# KiCad board mushi.kicad_pcb
title: mushi; rev: v1.0.0; company: Unknown
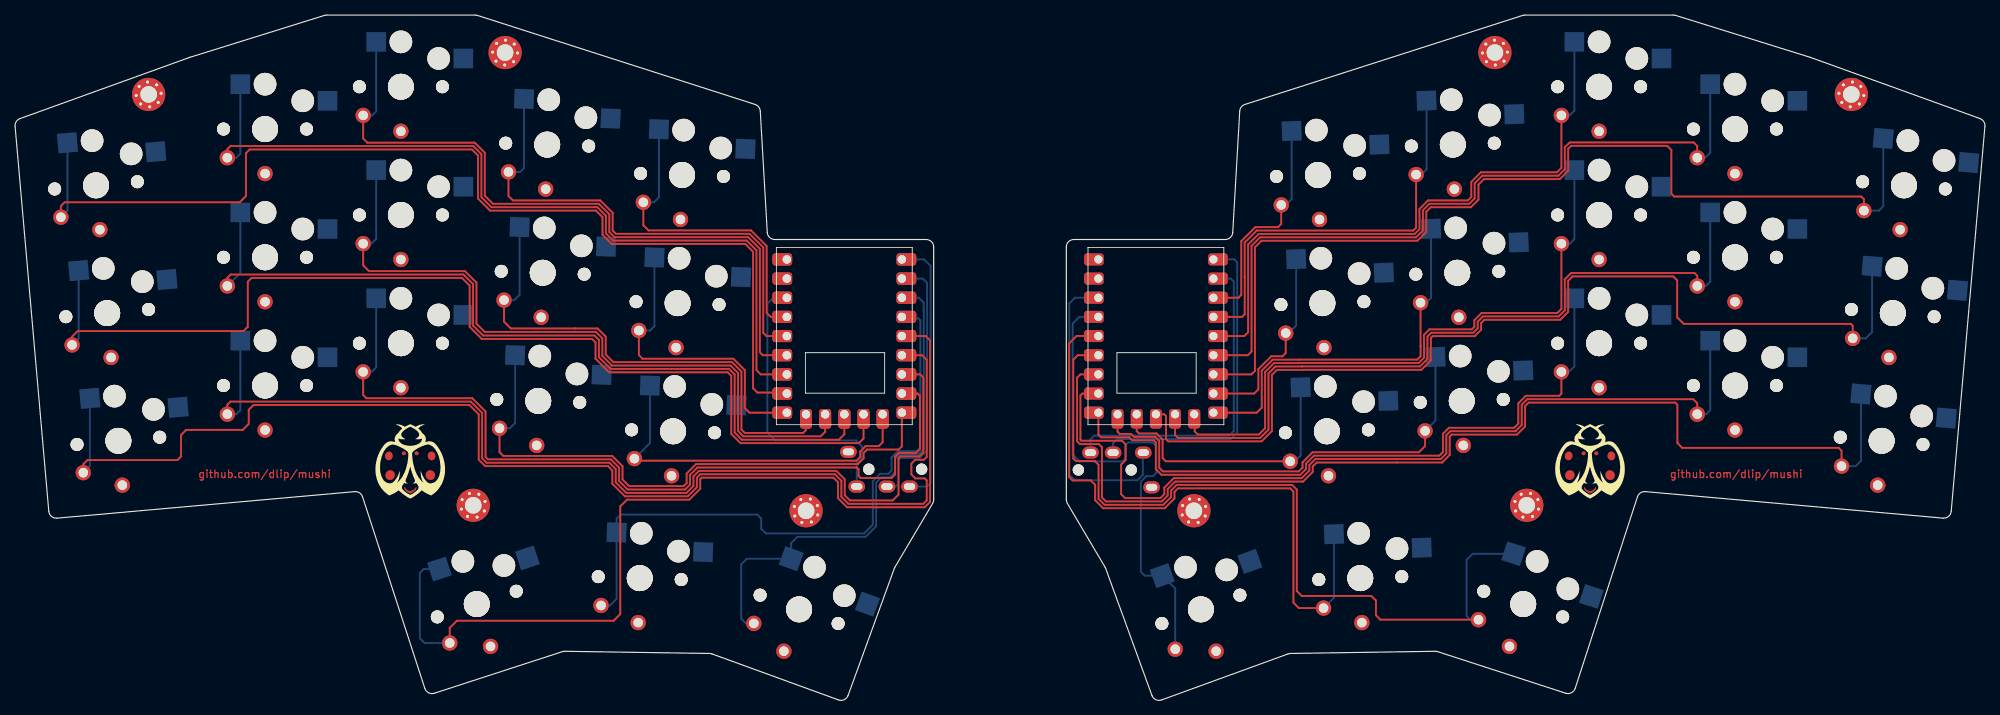
[diagram p0: board, top side]
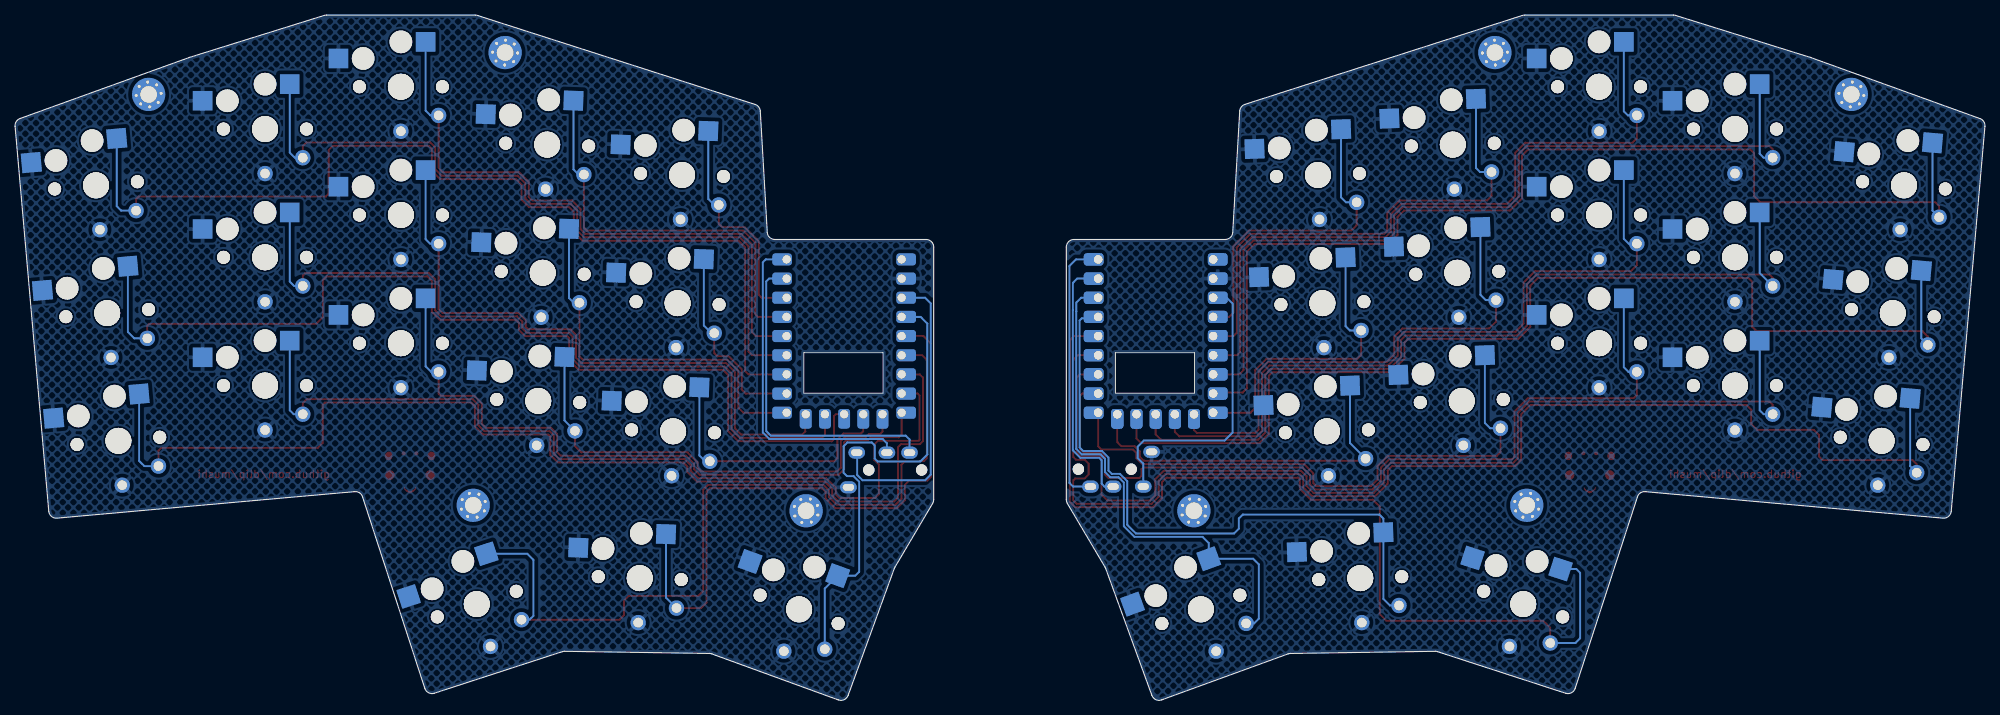
[diagram p1: board, bottom side, seen from below]

Outline 261.02 x 90.79 mm; copper layers: Top, Bottom. Coordinates in mm from the lower left corner of the outline.
Outline path: 0,76.04 arc(0.15,76.67) 0.66,77.07 23.1,85.17 arc(23.12,85.18) 23.14,85.18 40.98,90.74 arc(41.12,90.77) 41.27,90.79 60.96,90.79 arc(61.12,90.77) 61.27,90.74 98.05,78.94 arc(98.54,78.6) 98.74,78.05 99.67,61.98 arc(99.98,61.31) 100.67,61.04 120.72,61.04 arc(121.43,60.74) 121.72,60.04 121.72,26.56 arc(121.69,26.3) 121.58,26.05 116.58,17.59 arc(116.54,17.51) 116.5,17.43 110.38,0.6 arc(109.86,0.03) 109.1,0 92.34,6.1 arc(92.18,6.14) 92.01,6.16 72.84,6.45 arc(72.67,6.44) 72.51,6.4 55.55,0.89 arc(54.79,0.95) 54.29,1.53 46.04,26.93 arc(45.64,27.45) 45,27.61 5.55,24.1 arc(4.82,24.33) 4.46,25.01 0,76.04 ; 139.29,60.04 139.29,26.56 arc(139.33,26.3) 139.43,26.05 144.43,17.59 arc(144.48,17.51) 144.51,17.43 150.64,0.6 arc(151.15,0.03) 151.92,0 168.68,6.1 arc(168.84,6.14) 169,6.16 188.18,6.45 arc(188.34,6.44) 188.5,6.4 205.46,0.89 arc(206.23,0.95) 206.72,1.53 214.97,26.93 arc(215.37,27.45) 216.01,27.61 255.47,24.1 arc(256.2,24.33) 256.55,25.01 261.02,76.04 arc(260.86,76.67) 260.36,77.07 237.92,85.17 arc(237.89,85.18) 237.87,85.18 220.04,90.74 arc(219.89,90.77) 219.74,90.79 200.05,90.79 arc(199.9,90.77) 199.75,90.74 162.97,78.94 arc(162.48,78.6) 162.27,78.05 161.35,61.98 arc(161.04,61.31) 160.35,61.04 140.29,61.04 arc(139.59,60.74) 139.29,60.04

## Placement (name value [footprint] x y rotation side)
_1  -  [MountingHole_2.2mm_M2_Pad_Via]  17.7 80.27 5 top
_2  -  [MountingHole_2.2mm_M2_Pad_Via]  64.93 85.82 358 top
_3  -  [MountingHole_2.2mm_M2_Pad_Via]  60.71 25.8 18 top
_4  -  [MountingHole_2.2mm_M2_Pad_Via]  104.81 25.08 340 top
_5  -  [MountingHole_2.2mm_M2_Pad_Via]  243.32 80.27 355 top
_6  -  [MountingHole_2.2mm_M2_Pad_Via]  196.09 85.82 2 top
_7  -  [MountingHole_2.2mm_M2_Pad_Via]  200.31 25.8 342 top
_8  -  [MountingHole_2.2mm_M2_Pad_Via]  156.2 25.08 20 top
NOREF  LOGO  [mushi_copper2]  52.39 31.34 0 top
NOREF#2  LOGO  [mushi_copper2]  208.71 31.34 0 top
RP2040Zero1  -  [RP2040-Zero#2]  99.72 35.54 0 top
RP2040Zero2  -  [RP2040-Zero]  141 35.54 0 top
S1  -  [PG1350#2]  13.69 34.34 5 top
S2  -  [PG1350#2]  12.2 51.28 5 top
S3  -  [PG1350#2]  10.72 68.21 5 top
S4  -  [PG1350#2]  33.12 41.68 0 top
S5  -  [PG1350#2]  33.12 58.68 0 top
S6  -  [PG1350#2]  33.12 75.68 0 top
S7  -  [PG1350#2]  51.12 47.29 0 top
S8  -  [PG1350#2]  51.12 64.29 0 top
S9  -  [PG1350#2]  51.12 81.29 0 top
S10  -  [PG1350#2]  69.32 39.64 358 top
S11  -  [PG1350#2]  69.91 56.63 358 top
S12  -  [PG1350#2]  70.51 73.62 358 top
S13  -  [PG1350#2]  87.19 35.61 358 top
S14  -  [PG1350#2]  87.78 52.6 358 top
S15  -  [PG1350#2]  88.38 69.59 358 top
S16  -  [PG1350#2]  61.18 12.7 18 top
S17  -  [PG1350#2]  82.77 16.14 358 top
S18  -  [PG1350#2]  103.89 12.01 340 top
S19  -  [PG1350]  13.69 34.34 185 top
S20  -  [PG1350]  12.2 51.28 185 top
S21  -  [PG1350]  10.72 68.21 185 top
S22  -  [PG1350]  33.12 41.68 180 top
S23  -  [PG1350]  33.12 58.68 180 top
S24  -  [PG1350]  33.12 75.68 180 top
S25  -  [PG1350]  51.12 47.29 180 top
S26  -  [PG1350]  51.12 64.29 180 top
S27  -  [PG1350]  51.12 81.29 180 top
S28  -  [PG1350]  69.32 39.64 178 top
S29  -  [PG1350]  69.91 56.63 178 top
S30  -  [PG1350]  70.51 73.62 178 top
S31  -  [PG1350]  87.19 35.61 178 top
S32  -  [PG1350]  87.78 52.6 178 top
S33  -  [PG1350]  88.38 69.59 178 top
S34  -  [PG1350]  61.18 12.7 198 top
S35  -  [PG1350]  82.77 16.14 178 top
S36  -  [PG1350]  103.89 12.01 160 top
S37  -  [PG1350#2]  247.33 34.34 355 top
S38  -  [PG1350#2]  248.81 51.28 355 top
S39  -  [PG1350#2]  250.29 68.21 355 top
S40  -  [PG1350#2]  227.89 41.68 0 top
S41  -  [PG1350#2]  227.89 58.68 0 top
S42  -  [PG1350#2]  227.89 75.68 0 top
S43  -  [PG1350#2]  209.89 47.29 0 top
S44  -  [PG1350#2]  209.89 64.29 0 top
S45  -  [PG1350#2]  209.89 81.29 0 top
S46  -  [PG1350#2]  191.69 39.64 2 top
S47  -  [PG1350#2]  191.1 56.63 2 top
S48  -  [PG1350#2]  190.51 73.62 2 top
S49  -  [PG1350#2]  173.82 35.61 2 top
S50  -  [PG1350#2]  173.23 52.6 2 top
S51  -  [PG1350#2]  172.64 69.59 2 top
S52  -  [PG1350#2]  199.84 12.7 342 top
S53  -  [PG1350#2]  178.25 16.14 2 top
S54  -  [PG1350#2]  157.13 12.01 20 top
S55  -  [PG1350]  247.33 34.34 175 top
S56  -  [PG1350]  248.81 51.28 175 top
S57  -  [PG1350]  250.29 68.21 175 top
S58  -  [PG1350]  227.89 41.68 180 top
S59  -  [PG1350]  227.89 58.68 180 top
S60  -  [PG1350]  227.89 75.68 180 top
S61  -  [PG1350]  209.89 47.29 180 top
S62  -  [PG1350]  209.89 64.29 180 top
S63  -  [PG1350]  209.89 81.29 180 top
S64  -  [PG1350]  191.69 39.64 182 top
S65  -  [PG1350]  191.1 56.63 182 top
S66  -  [PG1350]  190.51 73.62 182 top
S67  -  [PG1350]  173.82 35.61 182 top
S68  -  [PG1350]  173.23 52.6 182 top
S69  -  [PG1350]  172.64 69.59 182 top
S70  -  [PG1350]  199.84 12.7 162 top
S71  -  [PG1350]  178.25 16.14 182 top
S72  -  [PG1350]  157.13 12.01 200 top
TRRS1  -  [TRRS-PJ-320A-dual]  121.72 28.29 270 top
TRRS2  -  [TRRS-PJ-320A-dual]  139.29 32.79 90 top

## Footprints (pads in the part's own frame, mm; a bottom-side part is the same pattern mirrored in y, then rotated)
MountingHole_2.2mm_M2_Pad_Via
  round 0.7 hole 0.4: 1(-1.65,0) 1(-1.167,1.167) 1(-1.167,-1.167) 1(0,1.65) 1(0,-1.65) 1(1.167,1.167) 1(1.167,-1.167) 1(1.65,0)
  round 4.4 hole 2.2: 1(0,0)
PG1350
  round 1.702 hole 1.702 unplated: (-5.5,0) (5.5,0)
  round 3.429 hole 3.429 unplated: (0,0)
  round 2.032 hole 1.27: 1(5,3.8) 2(0,5.9)
PG1350#2
  round 1.702 hole 1.702 unplated: (-5.5,0) (5.5,0)
  round 3 hole 3 unplated: (0,5.95) (5,3.75)
  round 3.429 hole 3.429 unplated: (0,0)
  rect 2.6x2.6 smd far side: 1(-3.275,5.95) 2(8.275,3.75)
RP2040-Zero
  rrect 2.6x1.6 hole 1.092: 1(17.78,22.86) 2(17.78,20.32) 3(17.78,17.78) 4(17.78,15.24) 5(17.78,12.7) 6(17.78,10.16) 7(17.78,7.62) 8(17.78,5.08) 9(17.78,2.54) 15(2.54,2.54) 16(2.54,5.08) 17(2.54,7.62) 18(2.54,10.16) 19(2.54,22.86) 20(2.54,20.32) 21(2.54,17.78) 22(2.54,12.7) 23(2.54,15.24)
  rrect 1.6x2.6 hole 1.092: 10(15.24,2.33)
  rrect 1.575x2.6 hole 1.092: 11(12.7,2.33) 12(10.16,2.33) 13(7.62,2.33) 14(5.08,2.33)
RP2040-Zero#2
  rrect 2.6x1.6 hole 1.092: 1(17.78,22.86) 1(17.78,22.86) 2(17.78,20.32) 2(17.78,20.32) 3(17.78,17.78) 3(17.78,17.78) 4(17.78,15.24) 4(17.78,15.24) 5(17.78,12.7) 5(17.78,12.7) 6(17.78,10.16) 6(17.78,10.16) 7(17.78,7.62) 7(17.78,7.62) 8(17.78,5.08) 8(17.78,5.08) 9(17.78,2.54) 9(17.78,2.54) 15(2.54,2.54) 15(2.54,2.54) 16(2.54,5.08) 16(2.54,5.08) 17(2.54,7.62) 17(2.54,7.62) 18(2.54,10.16) 18(2.54,10.16) 19(2.54,22.86) 19(2.54,22.86) 20(2.54,20.32) 20(2.54,20.32) 21(2.54,17.78) 21(2.54,17.78) 22(2.54,12.7) 22(2.54,12.7) 23(2.54,15.24) 23(2.54,15.24)
  rrect 1.6x2.6 hole 1.092: 10(15.24,2.33) 10(15.24,2.33)
  rrect 1.575x2.6 hole 1.092: 11(12.7,2.33) 11(12.7,2.33) 12(10.16,2.33) 12(10.16,2.33) 13(7.62,2.33) 13(7.62,2.33) 14(5.08,2.33) 14(5.08,2.33)
TRRS-PJ-320A-dual
  round 1.5 hole 1.5 unplated: (-2.3,-1.6) (-2.3,-8.6)
  oval 1.6x2.2 hole 0.9x1.5: 1(-4.6,-11.3) 2(0,-10.2) 3(0,-6.2) 4(0,-3.2)

## Nets
GND: RP2040Zero1.20 S1.2 S2.2 S3.2 S4.2 S5.2 S6.2 S7.2 S8.2 S9.2 S10.2 S11.2 S12.2 S13.2 S14.2 S15.2 S16.2 S17.2 S18.2 S19.2 S20.2 S21.2 S22.2 S23.2 S24.2 S25.2 S26.2 S27.2 S28.2 S29.2 S30.2 S31.2 S32.2 S33.2 S34.2 S35.2 S36.2 TRRS1.1
P3V3: RP2040Zero1.21 TRRS1.2
P5V: RP2040Zero1.19
matrix_index_bottom: RP2040Zero1.9 S10.1 S28.1
matrix_index_middle: RP2040Zero1.14 S11.1 S29.1
matrix_index_top: RP2040Zero1.22 S12.1 S30.1
matrix_middle_bottom: RP2040Zero1.8 S7.1 S25.1
matrix_middle_middle: RP2040Zero1.13 S8.1 S26.1
matrix_middle_top: RP2040Zero1.18 S9.1 S27.1
matrix_outer_bottom: RP2040Zero1.10 S13.1 S31.1
matrix_outer_middle: RP2040Zero1.15 S14.1 S32.1
matrix_outer_top: RP2040Zero1.23 S15.1 S33.1
matrix_pinky_bottom: RP2040Zero1.6 S1.1 S19.1
matrix_pinky_middle: RP2040Zero1.11 S2.1 S20.1
matrix_pinky_top: RP2040Zero1.16 S3.1 S21.1
matrix_ring_bottom: RP2040Zero1.7 S4.1 S22.1
matrix_ring_middle: RP2040Zero1.12 S5.1 S23.1
matrix_ring_top: RP2040Zero1.17 S6.1 S24.1
mirror_matrix_index_bottom: RP2040Zero2.14 S46.1 S64.1
mirror_matrix_index_middle: RP2040Zero2.9 S47.1 S65.1
mirror_matrix_index_top: RP2040Zero2.4 S48.1 S66.1
mirror_matrix_middle_bottom: RP2040Zero2.15 S43.1 S61.1
mirror_matrix_middle_middle: RP2040Zero2.10 S44.1 S62.1
mirror_matrix_middle_top: RP2040Zero2.5 S45.1 S63.1
mirror_matrix_outer_bottom: RP2040Zero2.13 S49.1 S67.1
mirror_matrix_outer_middle: RP2040Zero2.8 S50.1 S68.1
mirror_matrix_outer_top: RP2040Zero2.3 S51.1 S69.1
mirror_matrix_pinky_bottom: RP2040Zero2.17 S37.1 S55.1
mirror_matrix_pinky_middle: RP2040Zero2.12 S38.1 S56.1
mirror_matrix_pinky_top: RP2040Zero2.7 S39.1 S57.1
mirror_matrix_ring_bottom: RP2040Zero2.16 S40.1 S58.1
mirror_matrix_ring_middle: RP2040Zero2.11 S41.1 S59.1
mirror_matrix_ring_top: RP2040Zero2.6 S42.1 S60.1
mirror_thumbs_inner_cluster: RP2040Zero2.18 S52.1 S70.1
mirror_thumbs_middle_cluster: RP2040Zero2.22 S53.1 S71.1
mirror_thumbs_outer_cluster: RP2040Zero2.23 S54.1 S72.1
rGND: RP2040Zero2.20 S37.2 S38.2 S39.2 S40.2 S41.2 S42.2 S43.2 S44.2 S45.2 S46.2 S47.2 S48.2 S49.2 S50.2 S51.2 S52.2 S53.2 S54.2 S55.2 S56.2 S57.2 S58.2 S59.2 S60.2 S61.2 S62.2 S63.2 S64.2 S65.2 S66.2 S67.2 S68.2 S69.2 S70.2 S71.2 S72.2 TRRS2.1
rP3V3: RP2040Zero2.21 TRRS2.2
rP5V: RP2040Zero2.19
rRX: RP2040Zero2.2 TRRS2.4
rTX: RP2040Zero2.1 TRRS2.3
RX: RP2040Zero1.2 TRRS1.3
thumbs_inner_cluster: RP2040Zero1.5 S16.1 S34.1
thumbs_middle_cluster: RP2040Zero1.4 S17.1 S35.1
thumbs_outer_cluster: RP2040Zero1.3 S18.1 S36.1
TX: RP2040Zero1.1 TRRS1.4

Pads without a net: _1 1; _2 1; _3 1; _4 1; _5 1; _6 1; _7 1; _8 1

## Routing (per net, layer and track width the routed paths; a pad name or vN(x,y) marks a point on that pad's centre or on a via; arc(x,y) is an arc through that point)
P3V3: length 38.9
  Bottom w0.25: TRRS1.2 111.52,31.33 112.26,32.07 112.26,33.57 111.44,34.39 100.74,34.39 99.69,35.44 99.69,52.54 100.46,53.32 RP2040Zero1.21
matrix_index_bottom: length 78.5
  Top w0.25: RP2040Zero1.9 117.5,33.61 117.09,33.19 112.89,33.19 112.44,32.74 112.44,32.03 111.66,31.26 90.23,31.26 88.99,30.02 88.99,28.74 88.59,28.34 81.36,28.34 80.49,29.22 80.49,30.98 79.12,32.34 64.69,32.34 64.19,32.84 S28.1
  Bottom w0.25: S10.1 66.26,36.71 65.55,36.01 S28.1
matrix_index_middle: length 68.5
  Top w0.25: RP2040Zero1.14 104.8,35.77 104.43,35.39 96.69,35.39 96.25,35.83 96.25,43.52 94.99,44.78 79.27,44.78 78.26,45.79 78.26,48.17 77.19,49.24 74.19,49.24 74.19,49.24 65.69,49.24 64.78,50.15 S29.1
  Bottom w0.25: S29.1 66.14,53 66.85,53.71 S11.1
matrix_index_top: length 67.2
  Top w0.25: S30.1 65.38,66.8 65.96,66.22 77.53,66.22 79.19,64.56 79.19,62.22 79.61,61.79 97.32,61.79 99.14,59.98 99.14,48.67 99.57,48.24 RP2040Zero1.22
  Bottom w0.25: S12.1 67.44,70.53 66.91,69.99 S30.1
matrix_middle_bottom: length 113.3
  Top w0.25: RP2040Zero1.8 119.59,40.62 119.9,40.31 119.9,33.24 119.4,32.74 117.11,32.74 116.61,32.25 116.61,29.89 116.14,29.42 112.04,29.42 111.76,29.69 111.76,30.59 111.54,30.81 90.42,30.81 89.44,29.83 89.44,28.56 88.77,27.89 81.17,27.89 80.04,29.03 80.04,30.79 78.93,31.89 62.66,31.89 62.34,32.22 62.34,38.23 60.58,39.99 46.56,39.99 46.12,40.43 S25.1
  Bottom w0.25: S7.1 47.85,44.1 47.23,43.49 S25.1
matrix_middle_middle: length 96.2
  Top w0.25: S26.1 46.12,57.61 46.89,56.84 59.6,56.84 61.14,55.31 61.14,49.87 62.22,48.79 76.97,48.79 77.81,47.94 77.81,45.61 79.09,44.33 94.8,44.33 95.8,43.34 95.8,35.65 96.5,34.94 106.75,34.94 107.34,35.54 RP2040Zero1.13
  Bottom w0.25: S8.1 47.85,61.13 47.2,60.49 S26.1
matrix_middle_top: length 95
  Top w0.25: RP2040Zero1.18 99.08,45.7 98.69,46.09 98.69,59.79 97.13,61.34 79.42,61.34 78.74,62.03 78.74,64.38 77.35,65.77 63.31,65.77 62.24,66.84 62.24,72.54 60.91,73.87 46.69,73.87 46.12,74.43 S27.1
  Bottom w0.25: S27.1 47.3,77.49 47.85,78.03 S9.1
matrix_outer_bottom: length 48.3
  Top w0.25: RP2040Zero1.10 114.96,34.17 114.44,33.64 112.7,33.64 111.99,32.93 111.99,32.22 111.48,31.71 82.34,31.71
  Bottom w0.25: S13.1 84.13,34.05 S31.1
matrix_outer_middle: length 40.4
  Top w0.25: S32.1 82.66,45.71 83.14,45.23 95.17,45.23 96.7,43.71 96.7,38.68 97.3,38.08 RP2040Zero1.15
  Bottom w0.25: S14.1 84.72,49.55 84.14,48.98 S32.1
matrix_outer_top: length 43.6
  Top w0.25: S33.1 83.25,62.93 83.94,62.24 97.51,62.24 99.59,60.16 99.59,51.32 100.13,50.78 RP2040Zero1.23
  Bottom w0.25: S15.1 85.31,66.62 84.66,65.97 S33.1
matrix_pinky_bottom: length 169
  Top w0.25: S19.1 9.04,31.24 9.59,31.79 21.51,31.79 21.99,32.27 21.99,35.12 22.66,35.79 30.16,35.79 30.96,36.59 30.96,38.47 31.59,39.09 60.2,39.09 61.44,37.86 61.44,31.84 62.29,30.99 78.56,30.99 79.14,30.42 79.14,28.66 80.8,26.99 89.15,26.99 90.34,28.18 90.34,29.46 90.79,29.91 108.63,29.91 109.49,29.06 109.49,26.93 110.42,25.99 120.35,25.99 120.8,26.44 120.8,29.1 120.54,29.36 119.29,29.36 118.76,29.89 118.76,31.32 119.28,31.83 120.42,31.83 120.8,32.21 120.8,45.08 120.18,45.7 RP2040Zero1.6
  Bottom w0.25: S1.1 9.91,30.99 S19.1
matrix_pinky_middle: length 144.4
  Top w0.25: S20.1 7.55,48.16 8.29,48.89 30.26,48.89 30.84,49.47 30.84,55.44 31.34,55.94 59.21,55.94 60.24,54.92 60.24,49.45 61.83,47.85 76.45,47.85 76.91,47.39 76.91,45.23 78.71,43.43 94.43,43.43 94.9,42.96 94.9,35.27 96.13,34.04 111.81,34.04 112.42,34.65 RP2040Zero1.11
  Bottom w0.25: S20.1 8.42,47.93 S2.1
matrix_pinky_top: length 142.9
  Top w0.25: S21.1 6.07,65.48 6.56,65.97 29.76,65.97 30.59,66.79 30.59,72.47 31.09,72.97 60.54,72.97 61.34,72.17 61.34,66.47 62.94,64.87 76.98,64.87 77.84,64 77.84,61.66 79.05,60.44 96.76,60.44 97.79,59.42 97.79,41.31 98.35,40.74 102.13,40.74
  Bottom w0.25: S21.1 6.94,64.86 S3.1
matrix_ring_bottom: length 137.6
  Top w0.25: S22.1 28.12,39.13 28.54,39.54 60.39,39.54 61.89,38.05 61.89,32.03 62.47,31.44 78.75,31.44 79.59,30.61 79.59,28.84 80.99,27.44 88.96,27.44 89.89,28.37 89.89,29.64 90.6,30.36 108.82,30.36 109.94,29.24 109.94,27.12 110.61,26.44 116.29,26.44 117.06,27.22 117.06,32.06 117.29,32.29 119.82,32.29 120.35,32.82 120.35,42.73 119.92,43.16 RP2040Zero1.7
  Bottom w0.25: S22.1 29.32,37.88 29.85,38.4 S4.1
matrix_ring_middle: length 114.6
  Top w0.25: RP2040Zero1.12 109.88,35.21 109.16,34.49 96.31,34.49 95.35,35.46 95.35,43.15 94.62,43.88 78.9,43.88 77.36,45.42 77.36,47.72 76.78,48.3 62.01,48.3 60.69,49.63 60.69,55.12 59.41,56.39 28.56,56.39 28.12,55.95 S23.1
  Bottom w0.25: S23.1 29.85,56.6 S5.1
matrix_ring_top: length 113.2
  Top w0.25: S24.1 28.12,73 28.54,73.42 60.72,73.42 61.79,72.36 61.79,66.66 63.13,65.32 77.16,65.32 78.29,64.19 78.29,61.84 79.24,60.89 96.95,60.89 98.24,59.61 98.24,43.72 98.8,43.16 RP2040Zero1.17
  Bottom w0.25: S24.1 29.32,71.88 29.85,72.4 S6.1
mirror_matrix_index_bottom: length 61.5
  Top w0.25: S64.1 186.83,33.64 186.02,32.83 171.92,32.83 170.6,31.5 170.6,30.78 170.11,30.3 152.08,30.3 151.61,30.77 151.61,34.33 151.06,34.87 148.28,34.87 147.89,35.26 146.37,35.26 146.08,35.55 RP2040Zero2.14
  Bottom w0.25: S64.1 188.21,37.05 S46.1
mirror_matrix_index_middle: length 50.6
  Top w0.25: S65.1 186.24,46.89 186.25,46.88 186.25,45.56 185.8,45.11 170.16,45.11 170.15,45.1 166.64,45.1 165.19,43.65 165.19,38.74 164.52,38.08 RP2040Zero2.9
  Bottom w0.25: S47.1 187.62,53.28 187,52.65
mirror_matrix_index_top: length 54.5
  Top w0.25: S66.1 185.64,62.6 185.27,62.22 164.53,62.22 162.93,60.62 162.93,56.08 162.94,56.07 162.94,51.13 162.58,50.78 RP2040Zero2.4
  Bottom w0.25: 186.34,69.64 187.03,70.33 S48.1
mirror_matrix_middle_bottom: length 90.4
  Top w0.25: RP2040Zero2.15 143.54,35.15 143.89,34.81 147.63,34.81 148.02,34.42 150.88,34.42 151.16,34.14 151.16,30.59 151.9,29.85 170.3,29.85 171.05,30.6 171.05,31.32 172.11,32.38 188.72,32.38 189.2,32.85 189.2,35.28 189.99,36.07 198.63,36.07 199.19,36.63 199.19,39.32 200.18,40.31 204.62,40.31 204.89,40.59 S61.1
  Bottom w0.25: S43.1 206.62,44.23 205.88,43.49 S61.1
mirror_matrix_middle_middle: length 84.3
  Top w0.25: 156.31,37.8 156.31,35.6 156.73,35.18 164.8,35.18 165.64,36.01 165.64,43.47 166.82,44.65 170.33,44.65 170.34,44.66 185.98,44.66 186.7,45.38 186.7,47.07 186.69,47.08 186.69,48.4 187.41,49.12 193.04,49.12 193.36,49.44 193.36,50.33 194.32,51.29 204.37,51.29 204.89,51.82 S62.1
  Bottom w0.25: S44.1 206.62,61.08 206.03,60.49 S62.1
mirror_matrix_middle_top: length 83
  Top w0.25: RP2040Zero2.5 162.88,48.24 163.39,48.74 163.39,60.38 164.78,61.77 185.45,61.77 186.09,62.41 186.09,65.08 187.23,66.22 192.51,66.22 192.96,66.67 192.96,68.67 194.23,69.94 204.32,69.94 204.89,70.52 S63.1
  Bottom w0.25: S63.1 205.98,77.49 206.62,78.13 S45.1
mirror_matrix_outer_bottom: length 35.8
  Top w0.25: RP2040Zero2.13 148.62,35.63 148.93,35.32 151.25,35.32 152.06,34.52 152.06,32.05 152.47,31.64 S67.1
  Bottom w0.25: 169.58,31.64 170.34,32.4 S49.1
mirror_matrix_outer_middle: length 26.2
  Top w0.25: S68.1 168.37,45.98 167.94,45.55 166.45,45.55 164.74,43.84 164.74,41.17 164.19,40.62 RP2040Zero2.8
  Bottom w0.25: 168.74,48.63 169.75,49.63 S50.1
mirror_matrix_outer_top: length 29.9
  Top w0.25: S69.1 167.77,63.09 167.36,62.67 164.34,62.67 162.48,60.81 162.48,53.69 162.1,53.32 RP2040Zero2.3
  Bottom w0.25: 168.37,65.62 169.16,66.41 S51.1
mirror_matrix_pinky_bottom: length 148.7
  Top w0.25: RP2040Zero2.17 141.15,43.16 140.72,42.72 140.72,34.31 141.11,33.91 143.61,33.91 144.02,33.5 144.02,26.84 144.55,26.31 151.95,26.31 152.73,27.09 152.73,27.95 153.72,28.95 170.67,28.95 171.95,30.22 171.95,30.94 172.48,31.47 183.06,31.47 183.06,31.48 189.09,31.48 190.1,32.48 190.1,34.9 190.37,35.17 199.01,35.17 200.09,36.25 200.09,38.94 200.56,39.41 219.98,39.41 220.27,39.12 220.27,34.05 220.91,33.41 241.64,33.41 242.02,33.03 S55.1
  Bottom w0.25: S55.1 243.89,30.99 244.59,31.69 S37.1
mirror_matrix_pinky_middle: length 132.6
  Top w0.25: RP2040Zero2.12 152.27,37.87 152.51,37.63 152.51,34.56 152.79,34.28 165.17,34.28 166.54,35.64 166.54,43.09 167.2,43.75 170.71,43.75 170.72,43.76 186.36,43.76 187.6,45 187.6,47.98 187.84,48.22 193.41,48.22 194.26,49.07 194.26,49.96 194.69,50.39 204.74,50.39 205.79,51.45 205.79,55.56 206.38,56.14 219.72,56.14 220.24,55.62 220.24,50.72 221.11,49.85 243.25,49.85 243.5,49.6 S56.1
  Bottom w0.25: S38.1 246.07,48.77 245.22,47.93 S56.1
mirror_matrix_pinky_top: length 132.4
  Top w0.25: S57.1 244.98,66.38 244.63,66.73 219.84,66.73 219.47,67.1 219.47,72.9 218.92,73.45 206.19,73.45 205.79,73.06 205.79,70.15 204.69,69.04 194.64,69.04 193.91,68.31 193.91,66.31 192.91,65.32 187.6,65.32 186.99,64.71 186.99,62.04 185.83,60.87 165.16,60.87 164.29,60 164.29,43.61 163.83,43.16 RP2040Zero2.7
  Bottom w0.25: S39.1 247.55,65.46 246.96,64.86 S57.1
mirror_matrix_ring_bottom: length 120.2
  Top w0.25: S58.1 222.89,39.34 222.37,39.86 200.37,39.86 199.64,39.13 199.64,36.44 198.82,35.62 190.18,35.62 189.65,35.09 189.65,32.67 188.91,31.93 172.3,31.93 171.5,31.13 171.5,30.41 170.48,29.4 153.53,29.4 152.28,28.14 152.28,27.27 151.77,26.76 147.07,26.76 146.56,27.27 146.56,31.2 147.16,31.8 147.16,33.88 146.68,34.36 141.3,34.36 141.17,34.49 141.17,40.35 141.43,40.62 RP2040Zero2.16
  Bottom w0.25: S58.1 224.09,37.88 224.62,38.4 S40.1
mirror_matrix_ring_middle: length 102.8
  Top w0.25: S59.1 222.89,56.24 222.54,56.59 206.19,56.59 205.34,55.75 205.34,51.64 204.55,50.84 194.51,50.84 193.81,50.14 193.81,49.26 193.22,48.67 187.65,48.67 187.15,48.17 187.15,45.19 186.17,44.21 170.53,44.21 170.52,44.2 167.01,44.2 166.09,43.28 166.09,35.83 164.99,34.73 154.08,34.73 153.7,35.11 RP2040Zero2.11
  Bottom w0.25: S59.1 224.04,54.88 224.62,55.45 S41.1
mirror_matrix_ring_top: length 101.3
  Top w0.25: S60.1 222.89,73.44 222.43,73.9 206,73.9 205.34,73.25 205.34,70.34 204.5,69.49 194.42,69.49 193.41,68.48 193.41,66.48 192.69,65.77 187.41,65.77 186.54,64.9 186.54,62.23 185.64,61.32 164.97,61.32 163.84,60.19 163.84,46.18 163.35,45.7 RP2040Zero2.6
  Bottom w0.25: S42.1 224.62,72.55 223.94,71.88 S60.1
mirror_thumbs_inner_cluster: length 109.3
  Top w0.25: S70.1 180.92,10.63 180.33,11.22 180.33,13.16 179.71,13.78 170.49,13.78 169.84,14.43 169.84,27.88 169.22,28.5 153.91,28.5 153.18,27.77 153.18,26.9 152.14,25.86 144.36,25.86 143.57,26.66 143.57,31.17 143.08,31.66 140.58,31.66 140.22,32.02 140.22,45.1 140.82,45.7 RP2040Zero2.18
  Bottom w0.25: S52.1 193.14,19.37 192.34,18.57 192.34,11.14 192.85,10.63 S70.1
mirror_thumbs_middle_cluster: length 85.8
  Top w0.25: S71.1 170.11,12.17 169.39,12.89 169.39,27.62 168.96,28.05 154.09,28.05 153.63,27.58 153.63,26.71 152.33,25.41 144.17,25.41 143.12,26.47 143.12,28.51 142.54,29.09 140.13,29.09 139.67,29.55 139.67,47.25 140.67,48.25 143.53,48.25
  Bottom w0.25: S71.1 174.77,13.56 S53.1
mirror_thumbs_outer_cluster: length 66.4
  Bottom w0.25: RP2040Zero2.23 141.02,50.78 140.14,49.89 140.14,32.54 141.06,31.61 146.73,31.61 147.11,31.99 147.11,33.74 147.5,34.13 150.72,34.13 151.24,33.62 151.24,30.12 150.79,29.67 149.91,29.67 149.17,28.93 149.17,16.99 149.68,16.48 S54.1 153.73,14.76 S72.1
rP3V3: length 40.1
  Bottom w0.25: 149.44,32.73 149.44,29.83 148.72,29.12 140.44,29.12 139.69,29.87 139.69,52.57 140.43,53.32 RP2040Zero2.21
rRX: length 43.9
  Bottom w0.25: TRRS2.4 142.49,34.53 143,35.03 160.87,35.03 161.49,35.64 161.49,55.47 161.1,55.86 RP2040Zero2.2
rTX: length 44.1
  Bottom w0.25: TRRS2.3 145.49,34.03 146.05,34.58 161.06,34.58 161.94,35.46 161.94,58.01 161.55,58.4 RP2040Zero2.1
RX: length 34.9
  Bottom w0.25: TRRS1.3 116.67,28.29 117.04,28.65 117.04,31.76 117.37,32.09 119.86,32.09 120.86,33.09 120.86,51.7 120.85,51.71 120.85,55.29 120.28,55.86 RP2040Zero1.2
thumbs_inner_cluster: length 127.3
  Top w0.25: S34.1 57.6,9.55 58.54,10.49 79.31,10.49 80.19,11.37 80.19,25.64 81.09,26.54 89.33,26.54 90.79,28 90.79,29.27 90.98,29.46 108.44,29.46 109.04,28.87 109.04,26.75 110.24,25.54 120.54,25.54 121.25,26.25 121.25,47.66 120.67,48.24 RP2040Zero1.5
  Bottom w0.25: S16.1 54.14,17.35 53.64,16.84 53.64,8.17 54.26,7.54 S34.1
thumbs_middle_cluster: length 83.7
  Bottom w0.25: 117.69,50.58 119.68,50.58 119.96,50.3 119.96,33.47 119.48,32.99 116.99,32.99 116.14,32.14 116.14,30.41 115.7,29.97 114.61,29.97 113.65,29 113.65,23.21 112.5,22.06 99.49,22.06 98.86,22.69 98.86,24.04 98.34,24.57 80.24,24.57 79.7,24.04 S17.1 79.7,13.39 78.84,12.52 S35.1
thumbs_outer_cluster: length 67.9
  Bottom w0.25: S36.1 96.84,10.14 96.21,10.77 96.21,17.97 96.96,18.72 S18.1 102.85,20.8 103.66,21.61 112.68,21.61 114.1,23.03 114.1,28.82 114.8,29.52 115.89,29.52 116.59,30.22 116.59,31.95 117.18,32.54 119.67,32.54 120.41,33.28 120.41,51.51 120.4,51.52 120.4,52.67 119.75,53.32 RP2040Zero1.3
TX: length 35.9
  Bottom w0.25: TRRS1.4 120.83,28.29 121.31,28.76 121.31,57.53 120.44,58.4 RP2040Zero1.1

## Copper pours and planes (outline as drawn; the poured copper is in the pictures)
GND on Bottom: 122.58,44.02 122.75,58.22 121.59,62.58 104.67,62.47 101.19,64.08 99.6,80.19 69.96,90.42 44.34,95.83 28.9,91.06 -2.22,76.82 3.1,19.78 40.83,23.89 52.6,-2.16 77.58,3.68 110.59,-3.54 117.92,9.07 126.86,27.75 122.58,44.05
rGND on Bottom: 136.1,40.31 136.27,60.78 138.39,63.96 159.41,63.7 161.23,80.13 198,93.58 219.82,93.13 263.94,78.61 257.93,22.17 216.69,26.07 208.18,-0.27 203.01,-1.23 187.07,4.36 171.6,4.13 149.71,-3.43 144.44,4.24 135.39,27.39 136.1,40.36

## Text on the board
Top: github.com/dlip/mushi
F.Mask: github.com/dlip/mushi
